# Altium PCB EPS_v1.PcbDoc (part 4 of 4) (continued)
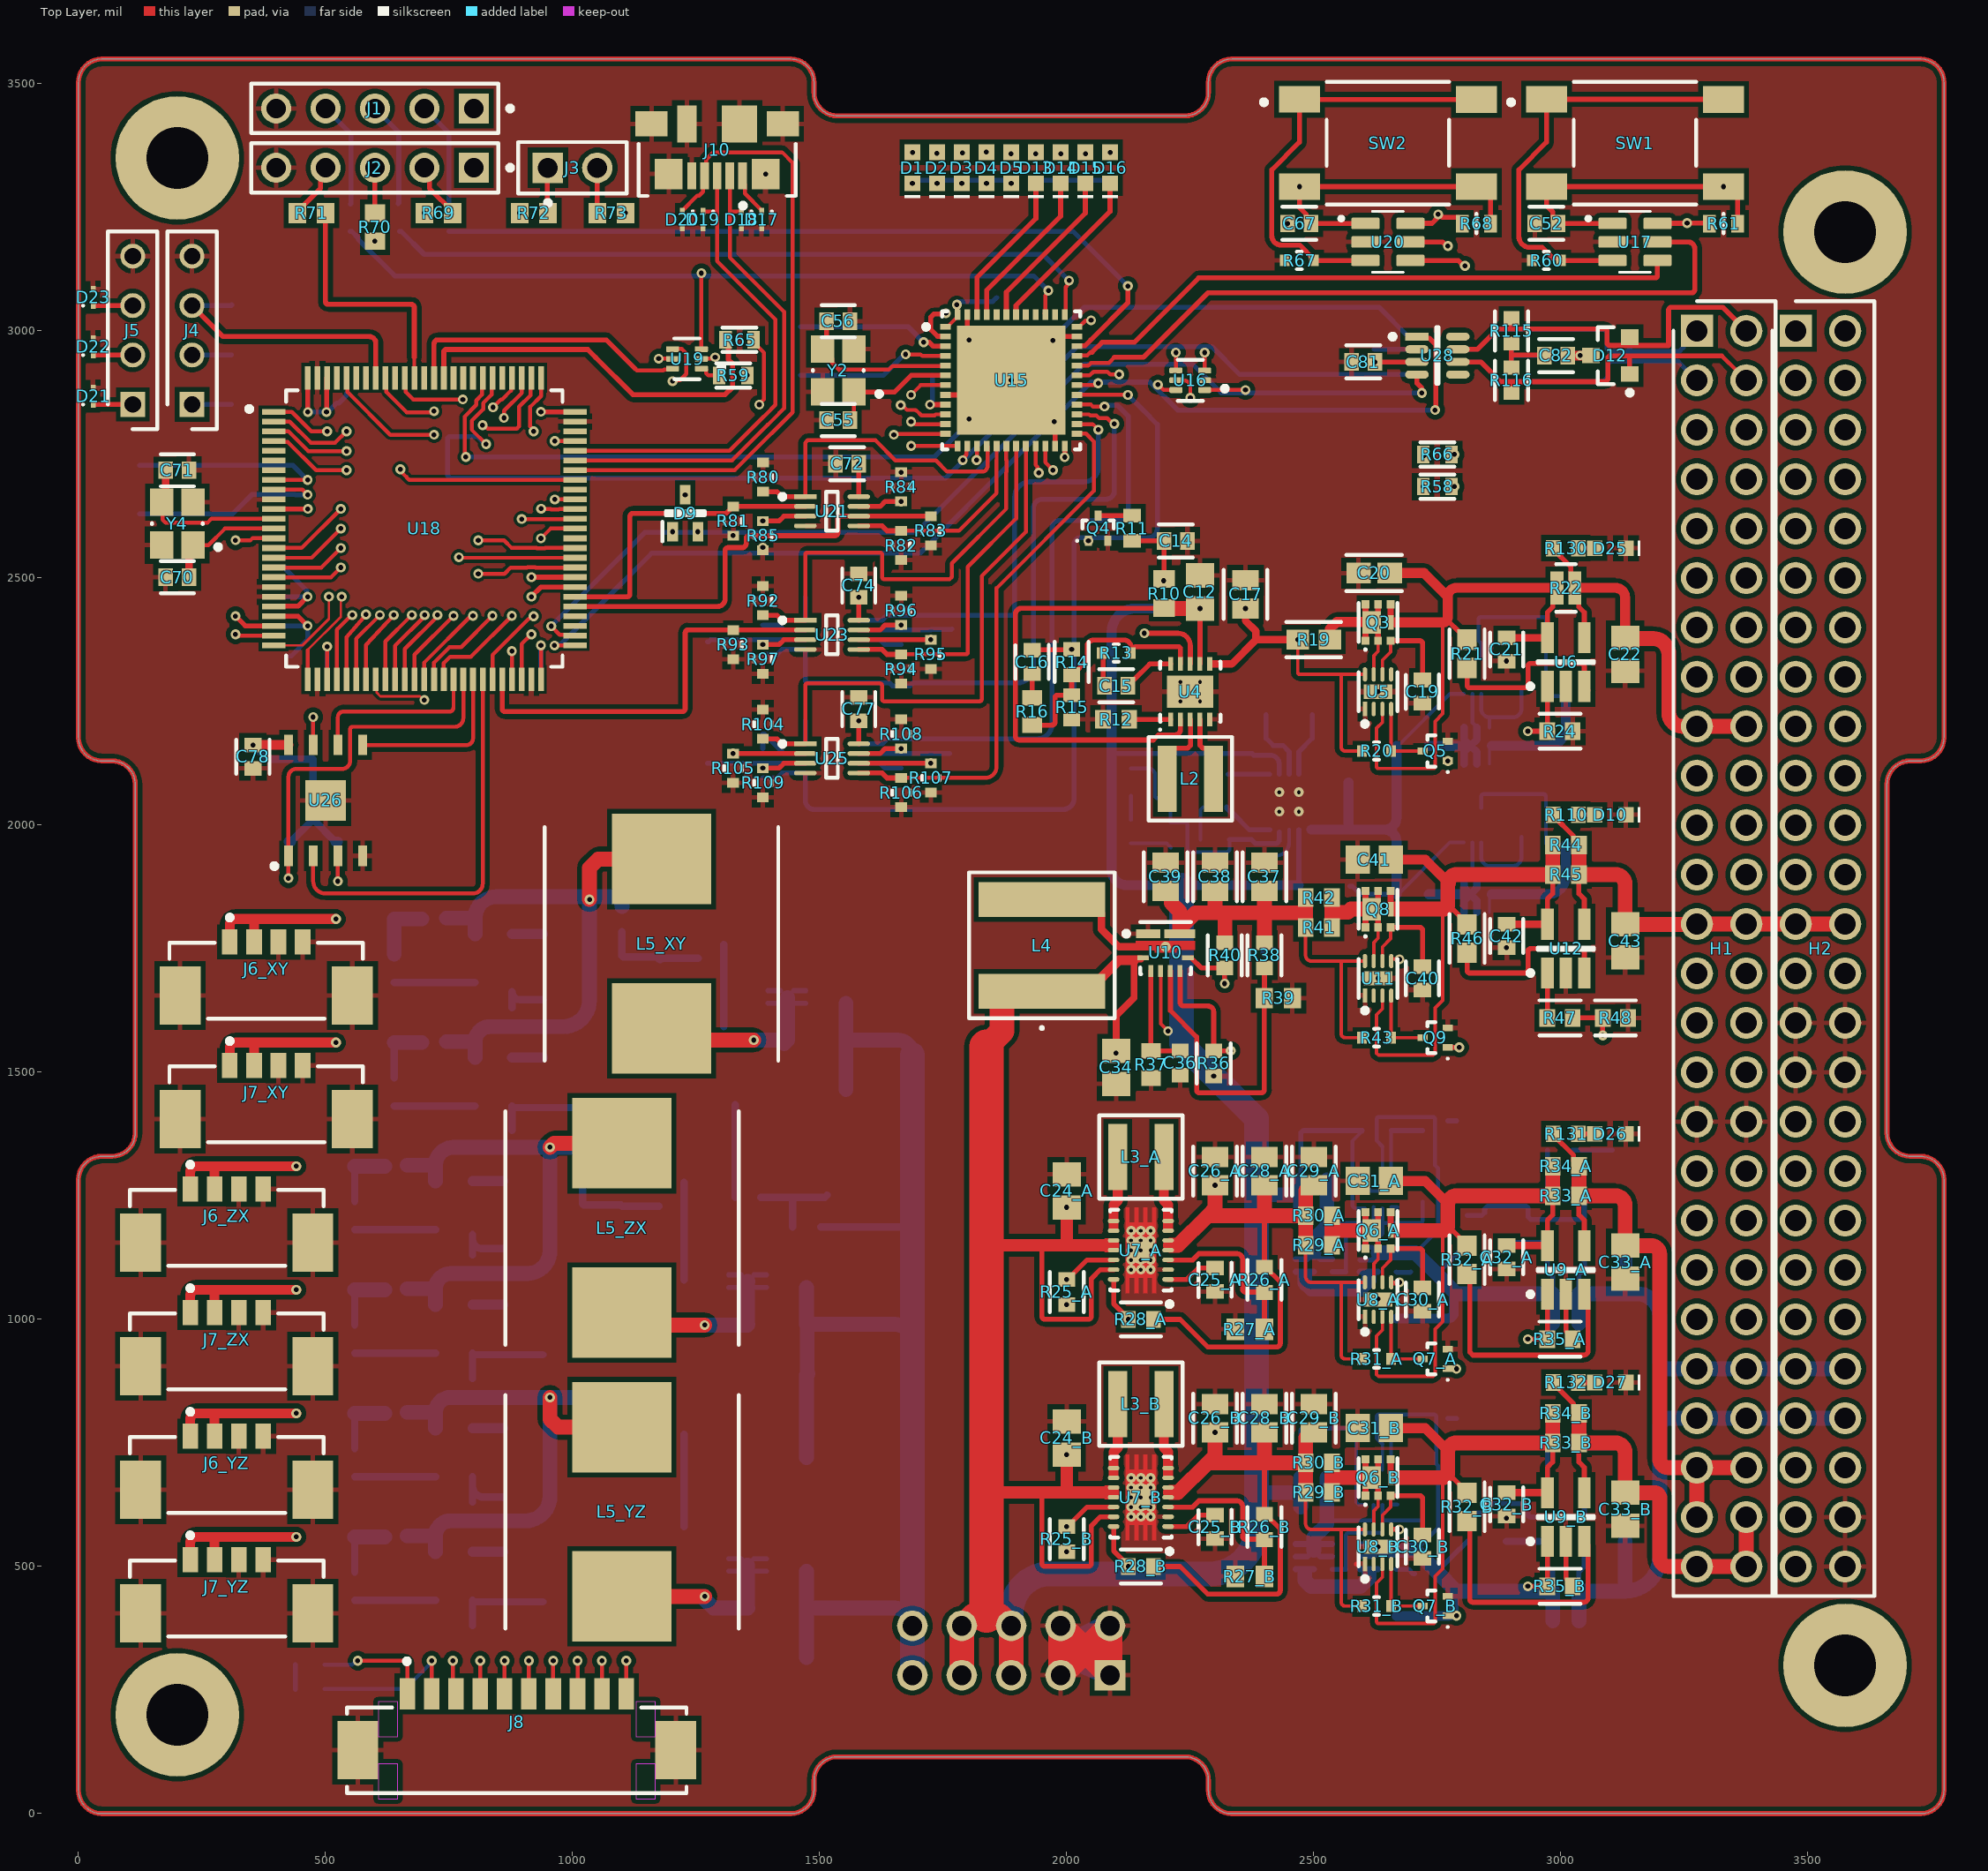
[diagram p0: Top Layer view]
## Nets (pads, with @x,y where several pads share a name; then routed paths per layer and width w, separated by ;. In a path a pad name is that pad's centre, name@x,y a point inside that pad or via, vN(x,y) a via of type N, cw(c..) or ccw(c..) an arc to the next point about the centre after c; other vN are vias at no path point) (continued)
UNREG_1: C47_M.2 H1.43 H1.44 H2.43 H2.44 R54_M.2 R55_M.2 U14_M.4 | length 916.2
  Bottom Layer w10: R55_M.2@3036.57,1051.97 3036.57,1090.75 3047.4,1101.57 U14_M.4@3047.4,1152.76
  Bottom Layer w30: R54_M.2@3036.57,991.97 R55_M.2@3036.57,1051.97 ; R55_M.2@3047.4,1051.97 3130,1051.97 ; C47_M.2@3130,1150.79 3130,1051.97 ; H2.44@3575.2,900 H2.43@3475.2,900 H1.44@3375.2,900 H1.43@3275.2,900 3217.57,900 cw(c3217.57,917.57) 3200,917.57 3200,1005.2 ccw(c3153.23,1005.2) 3153.23,1051.97 3130,1051.97
UNREG_2: C47_N.2 H1.45 H1.46 H2.45 H2.46 R54_N.2 R55_N.2 U14_N.4 | length 1116.1
  Bottom Layer w10: R55_N.2@3036.57,450 3036.57,488.78 3047.4,499.61 U14_N.4@3047.4,550.79
  Bottom Layer w30: R54_N.2@3036.57,390 R55_N.2@3036.57,450 3130,450 ; C47_N.2@3130,550.79 3130,450 ; H2.46@3575.2,800 H2.45@3475.2,800 H1.46@3375.2,800 H1.45@3275.2,800 3220,800 ccw(c3220,780) 3200,780 3200,520 cw(c3130,520) 3130,450
USART1_RX_SR: D23.1 J5.3 U15.31 | length 2268.7
  Top Layer w8: D23.1@29.84,3051.2 29.84,3050.86 29.9,3050.8 D23.1@30.3,3051.2 ; U15.31@2020.47,2909.84 2046.26,2909.84 2053.89,2917.47 2082.17,2917.47 2087.89,2911.76 v8(2106.15,2911.76)
  Top Layer w10: D23.1@30.3,3051.2 110.3,3051.2 J5.3@111.1,3050.4
  GND2 w10: J5.3@109.84,3051.2 159.74,3101.1 1884.25,3101.1 1923.78,3061.57 2035.24,2950.11 2049.17,2950.11 2067.8,2950.11 v8(2106.15,2911.76)
USART1_TX_SR: D22.1 J5.2 U15.30 | length 2103.3
  Top Layer w8: U15.30@2020.47,2890.16 2056.56,2890.16 2060.37,2893.97 v8(2063.62,2893.97)
  Top Layer w10: D22.1@29.84,2951.2 107.5,2951.2 J5.2@109.9,2948.8
  GND2 w10: J5.2@109.84,2951.2 155.92,2905.12 325.83,2905.12 1046.61,2905.12 1695.51,2905.12 2049.17,2905.12 2052.47,2905.12 v8(2063.62,2893.97)
USART2_RX: U18.87 U19.6 | length 583
  Top Layer w8: 1126.25,2923.74 1129.65,2920.34 1183.98,2920.34 1185.47,2921.83 1200.44,2921.83 U19.6@1202.34,2923.74
  Top Layer w10: U18.87@719.68,2905.12 719.69,2974.02 cw(c727.57,2974.02) 727.57,2981.9 1068.09,2981.9 1126.25,2923.74
USART2_RX_SR: U15.13 U16.6 | length 711.1
  Top Layer w8: v3(1685.18,2767.13) U15.13@1779.33,2767.13 ; v3(2184.34,2891.1) 2185.17,2891.1 2195.68,2880.59 2220.59,2880.59 U16.6@2220.87,2880.31
  GND1 w10: v3(1685.18,2767.13) 1687.69,2767.13 1695.51,2774.95 1696.04,2775.47 2049.17,2775.47 2112.17,2775.47 2184.34,2847.65 v3(2184.34,2891.1)
USART2_TX: R65.2 U18.86 | length 785.7
  Top Layer w8: 1046.37,2946.61 1046.61,2946.37
  Top Layer w10: U18.86@739.37,2905.12 739.37,2957.71 cw(c744.06,2957.71) 744.06,2962.4 1030.58,2962.4 1046.37,2946.61 ; 1046.61,2946.37 1122.11,2870.87 1308.5,2870.87 1323.75,2886.12 1323.75,2933.57 1315.26,2942.06 1315.26,2975.87 R65.2@1309.23,2981.9
USART2_TX_SR: R59.2 U15.12 | length 451.7
  Top Layer w8: v1(1650.1,2789.8) 1652.03,2791.73 U15.12@1754.73,2791.73
  Signal w8: v1(1353.54,2909.84) 1473.59,2789.8 v1(1650.1,2789.8)
USART3_RX: U18.48 U19.4 | length 848.2
  Top Layer w8: U18.48@896.85,2294.88 896.85,2343.67 897.1,2343.92 897.1,2366.76 v3(916.54,2386.2) ; U19.4@1210.53,2963.54 1220.69,2963.54 1230.03,2954.2 1230.03,2912.97 1217.69,2900.63 v3@1211.71,2900.63
  Top Layer w10: v3(1202.34,2898.33) 1204.26,2900.25 1211.33,2900.25 v3@1211.71,2900.63
  GND1 w10: v3(916.54,2386.2) 899.17,2403.57 899.17,2432.67 894.54,2437.3 894.54,2510.69 942.16,2558.31 944.92,2558.31 1202.34,2815.74 v3(1202.34,2898.33)
USART3_RX_SR: U15.22 U16.4 | length 925.9
  Top Layer w8: U15.22@1956.5,2767.13 1956.5,2734.05 v3(1972.24,2718.31) ; U16.4@2220.87,2919.68 v3(2220.87,2956.1)
  GND1 w10: v3(1972.24,2718.31) 2400.54,2718.31 2406.4,2724.16 2406.4,2920.81 ccw(c2401.71,2920.81) 2401.71,2925.5 2251.47,2925.5 v3(2220.87,2956.1)
USART3_TX: R66.2 U18.47 | length 2257.8
  Top Layer w8: U18.47@876.1,2298.4 877.13,2299.43 v1(877.1,2352.2)
  Signal w8: v1(877.1,2352.2) 864.69,2364.61 864.69,2618.25 cw(c887.74,2618.25) 887.74,2641.3 906.71,2641.3 927.73,2620.28 1334.58,2620.28 1394.5,2680.2 1819.3,2680.2 1847.03,2707.93 2683.03,2707.93 v1(2722.5,2747.4)
USART3_TX_SR: R58.2 U15.21 | length 860.3
  Top Layer w8: U15.21@1936.81,2767.13 1936.81,2728.99 1940.95,2724.85 1940.95,2715.2 v3(1943.24,2712.9)
  GND1 w10: v3(1943.24,2712.9) 1943.24,2712.66 1987.19,2668.71 2702.46,2668.71 2718.75,2685 v3(2721.46,2685)
VBUS: C1.2 C2.2 C12.2 C13.2 C23_A.2 C23_B.2 C24_A.2 C24_B.2 C34.2 C35.2 J9.5 J9.6 J9.7 J9.8 L4.1 R1.2 R10.2 R49_M.1 R49_N.1 R50_M.1 R50_N.1 R51_M.1 R51_N.1 U1.2 U1.7 U4.2 U4.7 U7_A.10 U7_A.11 U7_A.13 U7_B.10 U7_B.11 U7_B.13 U10.3 U13_M.8 U13_N.8 | length 9588.8
  Top Layer w9: U7_B.11@2094.88,640 2079.13,640 2079.13,649.84 2079.13,659.68 U7_B.10@2094.88,659.68 ; U7_A.11@2094.88,1140 2079.13,1140 2079.13,1149.84 2079.13,1159.68 U7_A.10@2094.88,1159.68
  Top Layer w10: 1949.68,649.84 1949.68,506.16 ccw(c1955.54,506.16) 1955.54,500.3 2043.84,500.3 ccw(c2043.84,506.16) 2049.7,506.16 2049.7,582.26 2068.07,600.63 U7_B.13@2094.88,600.63 ; 1949.68,1149.84 1949.68,1006.16 ccw(c1955.54,1006.16) 1955.54,1000.3 2043.84,1000.3 ccw(c2043.84,1006.16) 2049.7,1006.16 2049.7,1082.26 2068.07,1100.63 U7_A.13@2094.88,1100.63 ; R10.2@2197.12,2438.98 1908.78,2438.98 ccw(c1908.78,2426.01) 1895.81,2426.01 1895.81,2180.69 ccw(c1904.31,2180.69) 1904.31,2172.19 2175.07,2172.19 2185.2,2182.32 2218.26,2182.32 ccw(c2218.26,2194.3) 2230.24,2194.3 2230.24,2213.82 U4.2@2230.31,2213.9 ; U4.7@2269.68,2326.1 v2(2269.68,2438.27)
  Top Layer w14: C34.2@2100,1543.46 2100,1614.45 2136.22,1650.67 2136.22,1726.74 ; 2136.22,1728.53 2136.22,1726.74 ; U10.3@2149.91,1729.22 2138.7,1729.22 2136.22,1726.74
  Top Layer w20: L4.1@2042.6,1663.78 2105.56,1726.74 2136.22,1726.74
  Top Layer w25: 1837.6,1150 1837.76,1149.84 1949.68,1149.84 2000,1149.84 ; 1837.76,649.84 1949.68,649.84 2000,649.84 ; v2(2000,726.61) 2000,649.84 ; v2(2000,1226.61) 2000,1149.84 ; 2094.49,649.84 2079.13,649.84 2000,649.84 ; 2094.49,1149.84 2079.13,1149.84 2000,1149.84
  Top Layer w30: L4.1@1949.68,1663.78 L4.1@2042.6,1663.78 ; R10.2@2197.83,2438.27 v2(2269.68,2438.27)
  Top Layer w50: J9.7@1787.6,280 J9.8@1787.6,380 1790.8,380 1811.73,400.94 1837.76,400.94 1863.47,400.94 1884.4,380 J9.6@1887.6,380 ; 1837.6,1551.69 1868.93,1583.03 1868.93,1653.74 1878.97,1663.78 L4.1@1949.68,1663.78 ; J9.5@1887.6,280 J9.6@1887.6,380 J9.6@1887.63,381.46
  Top Layer w70: 1837.6,1150 1837.6,1551.69 ; 1837.76,400.94 1837.76,649.84 1837.76,1149.84
  Bottom Layer w7.5: R51_N.1@2597.52,780 2597.52,778.03 2591.43,771.94 2590.19,771.94 2585.8,767.55 2585.8,630.33 2591.09,625.04 U13_N.8@2603.43,625.04 ; R51_M.1@2597.52,1380 2578.08,1360.56 2578.08,1229.72 2582.76,1225.04 U13_M.8@2603.43,1225.04
  Bottom Layer w8: R51_M.1@2597.52,1380 R51_M.1@2597.52,1381.97
  Bottom Layer w10: 2090.81,2144.72 2375.07,2144.72 2378.05,2141.74 2411.11,2141.74 cw(c2411.11,2122.61) 2430.24,2122.61 2430.24,2103.09 U1.2@2430.31,2103.01 ; C1.2@2469.68,1878.64 U1.7@2469.68,1990.81 ; R50_N.1@2473.43,680 2473.43,772.39 cw(c2481.04,772.39) 2481.04,780 R51_N.1@2597.52,780 ; R49_M.1@2473.42,1281.97 2473.42,1374.35 cw(c2481.04,1374.35) 2481.04,1381.97 R51_M.1@2597.52,1381.97
  Bottom Layer w20: v2(2269.68,2438.27) 2138.54,2438.27 ccw(c2138.54,2390.54) 2090.81,2390.54 2090.81,2144.72 2090.81,1909.1 ccw(c2121.28,1909.1) 2121.28,1878.64 2232.48,1878.64 C2.2@2318.7,1878.64 C1.2@2469.68,1878.64
  Bottom Layer w30: 2384.25,648.5 2385.28,649.53 2473.43,649.53 ; 2384.25,1246.73 2389.49,1251.97 2473.42,1251.97 ; R49_N.1@2473.43,620 2473.43,649.53 ; R50_N.1@2473.43,680 2473.43,649.53 ; R50_M.1@2473.42,1221.97 2473.42,1251.97 ; R49_M.1@2473.42,1281.97 2473.42,1251.97
  Bottom Layer w50: J9.7@1787.6,280 J9.8@1787.6,380 ; J9.5@1887.6,280 J9.6@1887.6,380 1887.6,405.97 cw(c1966.63,405.97) 1966.63,485 2289.25,485 ccw(c2289.25,580) 2384.25,580 2384.25,648.5 2384.25,1246.73 2384.25,1405.75 2232.48,1557.52 2232.48,1878.64
  other v2: 2100,1538.54
VCC_OR: C72.2 C73.2 C74.2 C75.2 C77.2 D9.3 U21.8 U22.8 U23.8 U24.8 U25.8 | length 1580.2
  Top Layer w10: U25.8@1579.17,2164.53 v9(1579.17,2211.38) ; U23.8@1579.17,2414.53 v9(1579.17,2461.38) ; U21.8@1579.17,2664.53 v9(1579.17,2731.38)
  PWR w20: v9(1227.83,2668.46) 1464.97,2668.46 cw(c1464.97,2662.61) 1470.83,2662.61 v7(1470.83,2461.38) ; v7(1470.83,2211.38) v7(1470.83,2461.38) ; v9(1579.17,2211.38) v9(1579.17,2461.38) ; v9(1579.17,2731.38) v9(1579.17,2461.38) ; v7(1470.83,2461.38) v9(1579.17,2461.38)
  Bottom Layer w10: U24.8@1470.83,2164.53 v7(1470.83,2211.38) ; U22.8@1470.83,2414.53 v7(1470.83,2461.38)
VDD_EPS: C11.1 C57.1 C58.1 C59.1 C60.1 C61.1 C62.1 C63.1 C64.1 C65.1 C66.1 C67.1 C78.1 C79.1 C81.1 C83_XY.1 C83_YZ.1 C83_ZX.1 C85_XY.1 C85_YZ.1 C85_ZX.1 D9.2 Q2.4 Q2.7 R68.1 R74.1 R75.1 R76.1 R77.1 R78.1 R111.1 R112.1 R127.1 R128.2 R129.2 SW2.3 SW2.4 U3.3 U18.11 U18.21 U18.22 U18.28 U18.50 U18.75 U18.100 U19.5 U20.1 U26.8 U27.3 U28.3 U29_XY.5 U29_YZ.5 U29_ZX.5 U30_XY.5 U30_YZ.5 U30_ZX.5 U31_XY.5 U31_YZ.5 U31_ZX.5 U33.5 | length 15484
  Top Layer w8: U18.28@503.15,2294.88 v2(503.15,2361.24) ; U18.50@936.01,2295.09 v2@936.01,2363.57 ; v9(1174.24,2943.84) 1174.45,2943.63 1202.13,2943.63 U19.5@1202.34,2943.43
  Top Layer w10: U18.22@394.88,2422.83 444.09,2422.83 v2(463.72,2403.21) ; U18.21@394.88,2442.52 395.2,2442.83 444.41,2442.83 v2(463.78,2462.2) ; U18.11@394.88,2639.37 395.09,2639.58 463.99,2639.58 v2(464.19,2639.78) ; U18.100@463.78,2905.12 463.99,2904.91 v2@463.99,2836.01 ; v2(935.81,2363.78) v2@936.01,2363.57 ; v2(935.81,2836.22) U18.75@1005.12,2836.22 ; U18.50@936.01,2295.09 U18.50@936.22,2294.88 ; U20.1@2604.53,3217.4 C67.1@2494.49,3217.4 2484.72,3227.17 2484.72,3235.79 2470.87,3249.65 v9(2470.87,3291.81) SW2.4@2829.13,3291.81 2835.51,3291.81 2857.68,3269.65 R68.1@2857.68,3216.99 ; C81.1@2620.5,2937.2 U28.3@2708.64,2937.2
  Top Layer w20: v2(353.25,2162.2) U26.8@425,2162.2
  PWR w20: v2(353.25,2162.2) 522.95,1992.5 877.4,1992.5 ; v7(438.72,301) 667.58,529.86 v7(797.4,529.86) ; v2(463.72,2403.21) 463.72,2400.67 ccw(c503.15,2400.67) 463.74,2399.34 ccw(c503.15,2400.67) v2(503.15,2361.24) 504,2360.39 689.42,2360.39 715.23,2386.2 910.68,2386.2 ; v2(463.78,2462.2) 464.47,2462.89 464.47,2639.51 v2(464.19,2639.78) 455.69,2639.78 437.78,2657.7 437.78,2809.39 v2(464.19,2835.81) ; v2@464.19,2399.35 v2@464.19,2462.2 ; v2(935.81,2363.78) 910.68,2388.91 910.68,2456.35 cw(c955.85,2456.35) 955.85,2501.52 1082,2501.52 ; v2(935.81,2836.22) 951.18,2851.6 1082,2851.6 ; v9(1253.43,2593.66) 1243.52,2583.76 1243.52,2501.52 ; v7(1254.41,1644.25) 1254.41,1333.31 ; v7(1380.59,1333.31) 1254.41,1333.31 ; v7(1687.6,3304.41) 1534.81,3304.41 v9(1174.24,2943.84) 1082,2851.6 ; v9(2470.87,3291.81) 2623.62,3139.06 v7(2623.62,2962.8) v9(2623.62,2937.2) 2943.44,2937.2 cw(c2943.44,2870.65) 3010,2870.65 v7(3010,2260.59) 3010,2118.94 3063.15,2065.79 3063.15,1822.68 cw(c2888.27,1822.68) 2888.27,1647.81 1954.34,1647.81 1243.52,2358.62 ; v7(797.4,529.86) 1124.58,529.86 ccw(c1124.58,579.68) 1174.41,579.68 v7(1174.41,641.12) v7(1174.41,1142.06) 1174.41,1310 cw(c1197.72,1310) 1197.72,1333.31 1254.41,1333.31 ; v7(797.4,529.86) v7(797.4,779.86) v7(797.4,1029.86) v7(797.4,1279.86) 797.4,1449.86 v7(877.4,1529.86) v7(877.4,1779.86) 877.4,1992.5 ; 877.4,1992.5 1243.52,2358.62 ; 1082,2501.52 1243.52,2501.52 ; 1082,2501.52 1082,2851.6 ; 1243.52,2358.62 1243.52,2501.52
  Bottom Layer w5: Q2.4@2855.59,2123.64 Q2.7@2855.59,2160 Q2.7@2855.59,2160.55
  Bottom Layer w7.5: U3.3@2838.86,2335.51 2838.95,2335.6 2838.95,2367.24 2833.33,2372.86 2833.33,2416.51 cw(c2837.72,2416.51) 2837.72,2420.9 2965.09,2420.9 cw(c2965.09,2416.51) 2969.48,2416.51 2969.48,2265.5 ccw(c2973.88,2265.5) 2973.88,2261.11 C11.1@3010,2261.11
  Bottom Layer w10: C63.1@418.5,2521.26 418.5,2518.31 462.06,2474.75 462.06,2463.93 v2(463.78,2462.2) C64.1@420.47,2462.2 ; C61.1@418.5,2639.37 418.92,2639.78 v2(464.19,2639.78) ; C65.1@420.47,2403.15 C65.1@420.47,2403.15 v2(463.72,2403.21) ; C66.1@427.43,2342.13 430.31,2342.13 463.78,2375.59 463.78,2403.09 v2(463.72,2403.21) ; R128.2@438.72,251.79 v7(438.72,301) ; C57.1@463.78,2881.5 464.19,2881.08 v2(464.19,2835.81) 504.74,2835.81 522.79,2853.85 526.69,2853.85 542.52,2869.68 C62.1@542.52,2873.58 ; C60.1@503.15,2318.5 v2(503.15,2361.24) ; v2(935.81,2363.78) 935.81,2318.92 C59.1@936.22,2318.5 ; v2(935.81,2836.22) C58.1@981.5,2836.22 ; v7(1687.6,3304.41) R75.1@1737.6,3304.41 R76.1@1787.6,3304.41 R77.1@1837.6,3304.41 R78.1@1887.6,3304.41 ; C79.1@2622.4,2962.8 U27.3@2708.64,2962.8
  Bottom Layer w15: v2(353.25,2162.2) 381.79,2133.66 R112.1@475,2133.66 475,2011.42 ; R127.1@429.92,1966.34 475,2011.42 ; R111.1@520.08,1966.34 475,2011.42
  Bottom Layer w20: R127.1@425,1966.34 R127.1@429.92,1966.34 ; R111.1@520.08,1966.34 R111.1@525,1966.34 ; v7(797.4,529.86) C85_YZ.1@860,529.86 ; v7(797.4,779.86) C83_YZ.1@860,779.86 ; v7(797.4,1029.86) C85_ZX.1@860,1029.86 ; v7(797.4,1279.86) C83_ZX.1@860,1279.86 ; v7(877.4,1529.86) C85_XY.1@940,1529.86 ; v7(877.4,1779.86) C83_XY.1@940,1779.86 ; Q2.7@2860,2160.55 2973.09,2160.55 ccw(c2973.09,2197.46) 3010,2197.46 v7(3010,2260.59) ; v7(3010,2260.59) C11.1@3010,2261.11
VDD_MCU: C22.2 H1.17 H1.18 R22.2 R130.1 U6.4 | length 794.8
  Top Layer w10: R130.1@2984.41,2560.3 2984.41,2558.33 3019.92,2522.82 3019.92,2488.29 R22.2@3028.21,2480 ; R22.2@3036.57,2480 3036.57,2441.22 3047.4,2430.39 U6.4@3047.4,2379.21
  Top Layer w20: R22.2@3028.21,2480 3110.32,2480 cw(c3110.32,2460.31) 3130,2460.31 C22.2@3130,2379.21
  Top Layer w30: C22.2@3130,2379.21 3141.69,2379.21 3143.54,2377.36 3186.51,2377.36 cw(c3186.51,2345.66) 3218.22,2345.66 3218.22,2227.74 ccw(c3245.96,2227.74) 3245.96,2200 H1.17@3275.2,2200 ; H1.17@3276.1,2200 H1.18@3375.2,2200
VDD_SR: C9.1 C48.1 C49.1 C50.1 C51.2 C52.1 C98.1 D9.1 Q1.4 Q1.7 R61.1 R117.1 R118.1 R119.1 R120.1 SW1.3 SW1.4 U2.3 U15.1 U15.9 U15.24 U15.36 U15.48 U16.5 U17.1 | length 6954.8
  Top Layer w7.5: U15.1@1754.73,3008.27 1759.65,3008.27 1761.8,3010.42 1761.8,3011.44 1776.16,3025.8 1777.18,3025.8 1779.33,3027.95 U15.48@1779.33,3032.87 1778.48,3033.72 1778.48,3052.03 v2(1777.63,3052.88) ; U15.36@2020.47,3008.27 2025.39,3008.27 2038.01,3020.89 2048.56,3020.89 v2(2049.17,3021.5) ; U16.5@2220.87,2900 2221.4,2899.47 2238.4,2899.47 cw(c2238.4,2887.87) 2250,2887.87 v9(2250,2864.53)
  Top Layer w10: v2(1723.23,2850.79) U15.9@1754.73,2850.79 ; v2(1995.87,2744.49) U15.24@1995.87,2767.13 ; U17.1@3104.53,3217.4 2997.44,3217.4 2983.47,3231.37 2983.47,3240.79 2970.87,3253.4 SW1.3@2970.87,3291.81 v9(3329.13,3291.81) ; SW1.4@3335.51,3291.81 3357.68,3269.65 R61.1@3357.68,3216.99
  PWR w20: v9(1202.24,2593.66) 1198.33,2597.57 1198.33,2754.78 cw(c1262.85,2754.78) 1262.85,2819.3 1691.74,2819.3 v2(1723.23,2850.79) ; v2(1777.63,3052.88) 1777.97,3052.88 1783.43,3047.42 1783.43,2910.98 v2(1723.23,2850.79) ; v9(2250,2864.53) 2250,2768.98 cw(c2225.51,2768.98) 2225.51,2744.49 v2(1995.87,2744.49) ; v7(3010,1960) 2067.92,1960 cw(c2067.92,2032.05) 1995.87,2032.05 v2(1995.87,2744.49) ; v9(3329.13,3291.81) 3280.04,3340.9 2124.09,3340.9 v7(2087.6,3304.41) 2049.17,3265.98 v2(2049.17,3021.5) 1995.87,2968.2 1995.87,2850.79 ; v2(1723.23,2850.79) 1995.87,2850.79 ; v2(1995.87,2744.49) 1995.87,2850.79
  Bottom Layer w5: Q1.4@2855.59,1823.09 Q1.7@2855.59,1860
  Bottom Layer w7.5: U2.3@2838.86,2034.96 U2.3@2838.86,2034.96 2838.95,2058.31 cw(c2843.34,2058.31) 2843.34,2062.7 2965.09,2062.7 cw(c2965.09,2058.31) 2969.48,2058.31 2969.48,1964.95 ccw(c2973.88,1964.95) 2973.88,1960.55 C9.1@3010,1960.55
  Bottom Layer w10: v2(1723.23,2850.79) 1728.15,2855.71 C98.1@1728.15,2909.84 ; v2(1777.63,3052.88) 1779.33,3054.59 C49.1@1779.33,3059.45 1850.16,3059.45 C48.1@1858.07,3067.36 ; R117.1@1937.6,3304.41 R118.1@1987.6,3304.41 R119.1@2037.6,3304.41 v7(2087.6,3304.41)
  Bottom Layer w20: Q1.7@2860,1860 2973.09,1860 ccw(c2973.09,1896.91) 3010,1896.91 C9.1@3010,1960.55
Vout_Panels: C88.1 C89.1 C90.1 C91.1 C92.1 C93.1 C94.1 C95.1 D15_XY.1 D15_YZ.1 D15_ZX.1 J9.9 J9.10 R125.1 | length 2757
  Bottom Layer w15: R125.1@1502.09,1187.29 1687.6,1187.29
  Bottom Layer w30: C92.1@1473.3,315.85 D15_YZ.1@1473.31,415.85 ; C88.1@1473.31,490.26 D15_YZ.1@1473.31,415.85 ; C94.1@1473.31,720.12 C95.1@1473.31,800.12 1473.54,800.35 1473.54,887.87 C89.1@1475.79,890.12 1474.55,891.36 1474.55,988.88 D15_ZX.1@1473.31,990.12 ; C91.1@1473.31,1064.53 D15_ZX.1@1473.31,990.12 ; C90.1@1553.31,1465.12 D15_XY.1@1553.31,1565.12 ; C93.1@1553.31,1639.53 D15_XY.1@1553.31,1565.12 ; J9.10@1687.6,380 ccw(c1651.75,380) 1651.75,415.85 D15_YZ.1@1473.31,415.85 ; 1687.6,954.26 ccw(c1651.75,954.26) 1651.75,990.12 D15_ZX.1@1473.31,990.12 ; 1687.6,1535.47 ccw(c1657.95,1535.47) 1657.95,1565.12 D15_XY.1@1553.31,1565.12
  Bottom Layer w50: J9.9@1687.6,280 J9.10@1687.6,380 1687.6,954.26 1687.6,1187.29 1687.6,1535.47
WAKE: U18.66 U20.5 | length 2582.4
  Top Layer w8: v1(964.1,2659.06) U18.66@1005.12,2659.06
  Top Layer w10: U20.5@2695.47,3180 2760.29,3180 2768.69,3171.59 v1(2771.4,3171.59)
  Signal w8: v1(964.1,2659.06) 987.13,2659.06 1046.61,2718.54 1072.97,2744.9 1695.51,2744.9 1752.33,2744.9 ccw(c1752.33,2760.24) 1767.67,2760.24 1767.67,2900.66 ccw(c1751.77,2900.66) 1751.77,2916.56 1659.81,2916.56 cw(c1659.81,2928.97) 1647.4,2928.97 1647.4,3117.6 cw(c1661.44,3117.6) 1661.44,3131.64 2731.44,3131.64 v1(2771.4,3171.59)
WAKE_SR: U15.32 U17.5 | length 1481.3
  Top Layer w8: U15.32@2020.47,2929.53 2043.31,2929.53 2049.17,2935.39 2085.16,2935.39 2096.44,2946.67
  Top Layer w10: 2096.44,2946.67 2155.42,2946.67 2285.76,3077.01 3264.84,3077.01 ccw(c3264.84,3082.87) 3270.7,3082.87 3270.7,3166.61 ccw(c3257.31,3166.61) 3257.31,3180 U17.5@3195.47,3180
pads on no net: H1.5 H1.6 H1.7 H1.8 H1.9 H1.10 H1.11 H1.12 H1.14 H1.16 H1.19 H1.20 H1.21 H1.23 H1.27 H1.28 H1.29 H1.30 H1.31 H1.32 H1.35 H1.36 H1.37 H1.38 H1.39 H1.40 H1.41 H1.42 H2.1 H2.2 H2.3 H2.4 H2.5 H2.6 H2.7 H2.8 H2.9 H2.10 H2.11 H2.12 H2.13 H2.14 H2.15 H2.16 H2.17 H2.18 H2.19 H2.20 H2.21 H2.22 H2.23 H2.24 H2.27 H2.28 H2.33 H2.34 H2.35 H2.36 H2.37 H2.38 H2.39 H2.40 H2.41 H2.42 H2.48 U2.2 U2.5 U3.2 U3.5 U5.2 U5.5 U8_A.2 U8_B.2 U11.2 U13_M.2 U13_N.2 U15.38 U15.40 U15.41 U15.44 U18.5 U18.6 U18.7 U18.62 U18.67 U18.73 U18.80 U18.83 U18.85 U18.88 U18.91 U18.94 U18.95 U18.97 U27.5 U27.8 U28.5 U28.8
copper on no net: | length 15165.3
  Top Layer w10: 0,47.24 ccw(c47.24,47.24) 47.24,0 1441.34,0 ccw(c1441.34,47.24) 1488.58,47.24 1488.58,67.72 cw(c1535.83,67.72) 1535.83,114.96 2239.37,114.96 cw(c2239.37,67.72) 2286.61,67.72 2286.61,47.24 ccw(c2333.86,47.24) 2333.86,0 3727.95,0 ccw(c3727.95,47.24) 3775.2,47.24 3775.2,1282.68 ccw(c3727.95,1282.68) 3727.95,1329.92 3727.56,1329.92 3707.09,1329.92 cw(c3707.09,1377.17) 3659.84,1377.17 3659.84,2082.68 cw(c3707.09,2082.68) 3707.09,2129.92 3707.29,2129.92 3727.95,2129.92 ccw(c3727.95,2177.17) 3775.2,2177.17 3775.2,3502.76 ccw(c3727.95,3502.76) 3727.95,3550 2333.86,3550 ccw(c2333.86,3502.76) 2286.61,3502.76 2286.61,3482.28 cw(c2239.37,3482.28) 2239.37,3435.04 1535.83,3435.04 cw(c1535.83,3482.28) 1488.58,3482.28 1488.58,3502.76 ccw(c1441.34,3502.76) 1441.34,3550 47.24,3550 ccw(c47.24,3502.76) 0,3502.76 0,2177.17 ccw(c47.24,2177.17) 47.24,2129.92 67.72,2129.92 cw(c67.72,2082.68) 114.96,2082.68 114.96,1377.17 cw(c67.72,1377.17) 67.72,1329.92 47.24,1329.92 ccw(c47.24,1282.68) 0,1282.68 0,47.24

## Polygon pours and split planes (outlines as drawn)
GND on Bottom Layer "GND_L06_P000" (solid, pour order 0): 47.24,0 1441.34,0 ccw(c1441.34,47.24) 1488.58,47.24 1488.58,67.72 cw(c1535.83,67.72) 1535.83,114.96 2239.37,114.96 cw(c2239.37,67.72) 2286.61,67.72 2286.61,47.24 ccw(c2333.86,47.24) 2333.86,0 3727.95,0 ccw(c3727.95,47.24) 3775.2,47.24 3775.2,1282.68 ccw(c3727.95,1282.68) 3727.95,1329.92 3707.09,1329.92 cw(c3707.09,1377.16) 3659.84,1377.16 3659.84,2082.68 cw(c3707.09,2082.68) 3707.09,2129.92 3727.95,2129.92 ccw(c3727.95,2177.17) 3775.2,2177.17 3775.2,3502.76 ccw(c3727.95,3502.76) 3727.95,3550 2333.86,3550 ccw(c2333.86,3502.76) 2286.61,3502.76 2286.61,3482.28 cw(c2239.37,3482.28) 2239.37,3435.04 1535.83,3435.04 cw(c1535.83,3482.28) 1488.58,3482.28 1488.58,3502.76 ccw(c1441.34,3502.76) 1441.34,3550 47.24,3550 ccw(c47.24,3502.76) 0,3502.76 0,2177.16 ccw(c47.24,2177.16) 47.24,2129.92 67.72,2129.92 cw(c67.72,2082.68) 114.96,2082.68 114.96,1377.17 cw(c67.72,1377.17) 67.72,1329.92 47.24,1329.92 ccw(c47.24,1282.68) 0,1282.68 0,47.24 ccw(c47.24,47.24)
GND on Signal "GND_L04_P002" (solid, pour order 2): 47.24,0 1441.34,0 ccw(c1441.34,47.24) 1488.58,47.24 1488.58,67.72 cw(c1535.83,67.72) 1535.83,114.96 2239.37,114.96 cw(c2239.37,67.72) 2286.61,67.72 2286.61,47.24 ccw(c2333.86,47.24) 2333.86,0 3727.95,0 ccw(c3727.95,47.24) 3775.2,47.24 3775.2,1282.68 ccw(c3727.95,1282.68) 3727.95,1329.92 3707.09,1329.92 cw(c3707.09,1377.16) 3659.84,1377.16 3659.84,2082.68 cw(c3707.09,2082.68) 3707.09,2129.92 3727.95,2129.92 ccw(c3727.95,2177.17) 3775.2,2177.17 3775.2,3502.76 ccw(c3727.95,3502.76) 3727.95,3550 2333.86,3550 ccw(c2333.86,3502.76) 2286.61,3502.76 2286.61,3482.28 cw(c2239.37,3482.28) 2239.37,3435.04 1535.83,3435.04 cw(c1535.83,3482.28) 1488.58,3482.28 1488.58,3502.76 ccw(c1441.34,3502.76) 1441.34,3550 47.24,3550 ccw(c47.24,3502.76) 0,3502.76 0,2177.16 ccw(c47.24,2177.16) 47.24,2129.92 67.72,2129.92 cw(c67.72,2082.68) 114.96,2082.68 114.96,1377.17 cw(c67.72,1377.17) 67.72,1329.92 47.24,1329.92 ccw(c47.24,1282.68) 0,1282.68 0,47.24 ccw(c47.24,47.24)
GND on PWR "GND_L03_P005" (solid, pour order 5): 47.24,0 1441.34,0 ccw(c1441.34,47.24) 1488.58,47.24 1488.58,67.72 cw(c1535.83,67.72) 1535.83,114.96 2239.37,114.96 cw(c2239.37,67.72) 2286.61,67.72 2286.61,47.24 ccw(c2333.86,47.24) 2333.86,0 3727.95,0 ccw(c3727.95,47.24) 3775.2,47.24 3775.2,1282.68 ccw(c3727.95,1282.68) 3727.95,1329.92 3707.09,1329.92 cw(c3707.09,1377.16) 3659.84,1377.16 3659.84,2082.68 cw(c3707.09,2082.68) 3707.09,2129.92 3727.95,2129.92 ccw(c3727.95,2177.17) 3775.2,2177.17 3775.2,3502.76 ccw(c3727.95,3502.76) 3727.95,3550 2333.86,3550 ccw(c2333.86,3502.76) 2286.61,3502.76 2286.61,3482.28 cw(c2239.37,3482.28) 2239.37,3435.04 1535.83,3435.04 cw(c1535.83,3482.28) 1488.58,3482.28 1488.58,3502.76 ccw(c1441.34,3502.76) 1441.34,3550 47.24,3550 ccw(c47.24,3502.76) 0,3502.76 0,2177.16 ccw(c47.24,2177.16) 47.24,2129.92 67.72,2129.92 cw(c67.72,2082.68) 114.96,2082.68 114.96,1377.17 cw(c67.72,1377.17) 67.72,1329.92 47.24,1329.92 ccw(c47.24,1282.68) 0,1282.68 0,47.24 ccw(c47.24,47.24)
GND on Top Layer "GND_L01_P004" (solid, pour order 4): 47.24,0 1441.34,0 ccw(c1441.34,47.24) 1488.58,47.24 1488.58,67.72 cw(c1535.83,67.72) 1535.83,114.96 2239.37,114.96 cw(c2239.37,67.72) 2286.61,67.72 2286.61,47.24 ccw(c2333.86,47.24) 2333.86,0 3727.95,0 ccw(c3727.95,47.24) 3775.2,47.24 3775.2,1282.68 ccw(c3727.95,1282.68) 3727.95,1329.92 3707.09,1329.92 cw(c3707.09,1377.16) 3659.84,1377.16 3659.84,2082.68 cw(c3707.09,2082.68) 3707.09,2129.92 3727.95,2129.92 ccw(c3727.95,2177.17) 3775.2,2177.17 3775.2,3502.76 ccw(c3727.95,3502.76) 3727.95,3550 2333.86,3550 ccw(c2333.86,3502.76) 2286.61,3502.76 2286.61,3482.28 cw(c2239.37,3482.28) 2239.37,3435.04 1535.83,3435.04 cw(c1535.83,3482.28) 1488.58,3482.28 1488.58,3502.76 ccw(c1441.34,3502.76) 1441.34,3550 47.24,3550 ccw(c47.24,3502.76) 0,3502.76 0,2177.16 ccw(c47.24,2177.16) 47.24,2129.92 67.72,2129.92 cw(c67.72,2082.68) 114.96,2082.68 114.96,1377.17 cw(c67.72,1377.17) 67.72,1329.92 47.24,1329.92 ccw(c47.24,1282.68) 0,1282.68 0,47.24 ccw(c47.24,47.24)
GND on GND1 "GND_L02_P003" (solid, pour order 3): 47.24,0 1441.34,0 ccw(c1441.34,47.24) 1488.58,47.24 1488.58,67.72 cw(c1535.83,67.72) 1535.83,114.96 2239.37,114.96 cw(c2239.37,67.72) 2286.61,67.72 2286.61,47.24 ccw(c2333.86,47.24) 2333.86,0 3727.95,0 ccw(c3727.95,47.24) 3775.2,47.24 3775.2,1282.68 ccw(c3727.95,1282.68) 3727.95,1329.92 3707.09,1329.92 cw(c3707.09,1377.16) 3659.84,1377.16 3659.84,2082.68 cw(c3707.09,2082.68) 3707.09,2129.92 3727.95,2129.92 ccw(c3727.95,2177.17) 3775.2,2177.17 3775.2,3502.76 ccw(c3727.95,3502.76) 3727.95,3550 2333.86,3550 ccw(c2333.86,3502.76) 2286.61,3502.76 2286.61,3482.28 cw(c2239.37,3482.28) 2239.37,3435.04 1535.83,3435.04 cw(c1535.83,3482.28) 1488.58,3482.28 1488.58,3502.76 ccw(c1441.34,3502.76) 1441.34,3550 47.24,3550 ccw(c47.24,3502.76) 0,3502.76 0,2177.16 ccw(c47.24,2177.16) 47.24,2129.92 67.72,2129.92 cw(c67.72,2082.68) 114.96,2082.68 114.96,1377.17 cw(c67.72,1377.17) 67.72,1329.92 47.24,1329.92 ccw(c47.24,1282.68) 0,1282.68 0,47.24 ccw(c47.24,47.24)
GND on GND2 "GND_L05_P001" (solid, pour order 1): 47.24,0 1441.34,0 ccw(c1441.34,47.24) 1488.58,47.24 1488.58,67.72 cw(c1535.83,67.72) 1535.83,114.96 2239.37,114.96 cw(c2239.37,67.72) 2286.61,67.72 2286.61,47.24 ccw(c2333.86,47.24) 2333.86,0 3727.95,0 ccw(c3727.95,47.24) 3775.2,47.24 3775.2,1282.68 ccw(c3727.95,1282.68) 3727.95,1329.92 3707.09,1329.92 cw(c3707.09,1377.16) 3659.84,1377.16 3659.84,2082.68 cw(c3707.09,2082.68) 3707.09,2129.92 3727.95,2129.92 ccw(c3727.95,2177.17) 3775.2,2177.17 3775.2,3502.76 ccw(c3727.95,3502.76) 3727.95,3550 2333.86,3550 ccw(c2333.86,3502.76) 2286.61,3502.76 2286.61,3482.28 cw(c2239.37,3482.28) 2239.37,3435.04 1535.83,3435.04 cw(c1535.83,3482.28) 1488.58,3482.28 1488.58,3502.76 ccw(c1441.34,3502.76) 1441.34,3550 47.24,3550 ccw(c47.24,3502.76) 0,3502.76 0,2177.16 ccw(c47.24,2177.16) 47.24,2129.92 67.72,2129.92 cw(c67.72,2082.68) 114.96,2082.68 114.96,1377.17 cw(c67.72,1377.17) 67.72,1329.92 47.24,1329.92 ccw(c47.24,1282.68) 0,1282.68 0,47.24 ccw(c47.24,47.24)